# KiCad board PC110.kicad_pcb (continued)
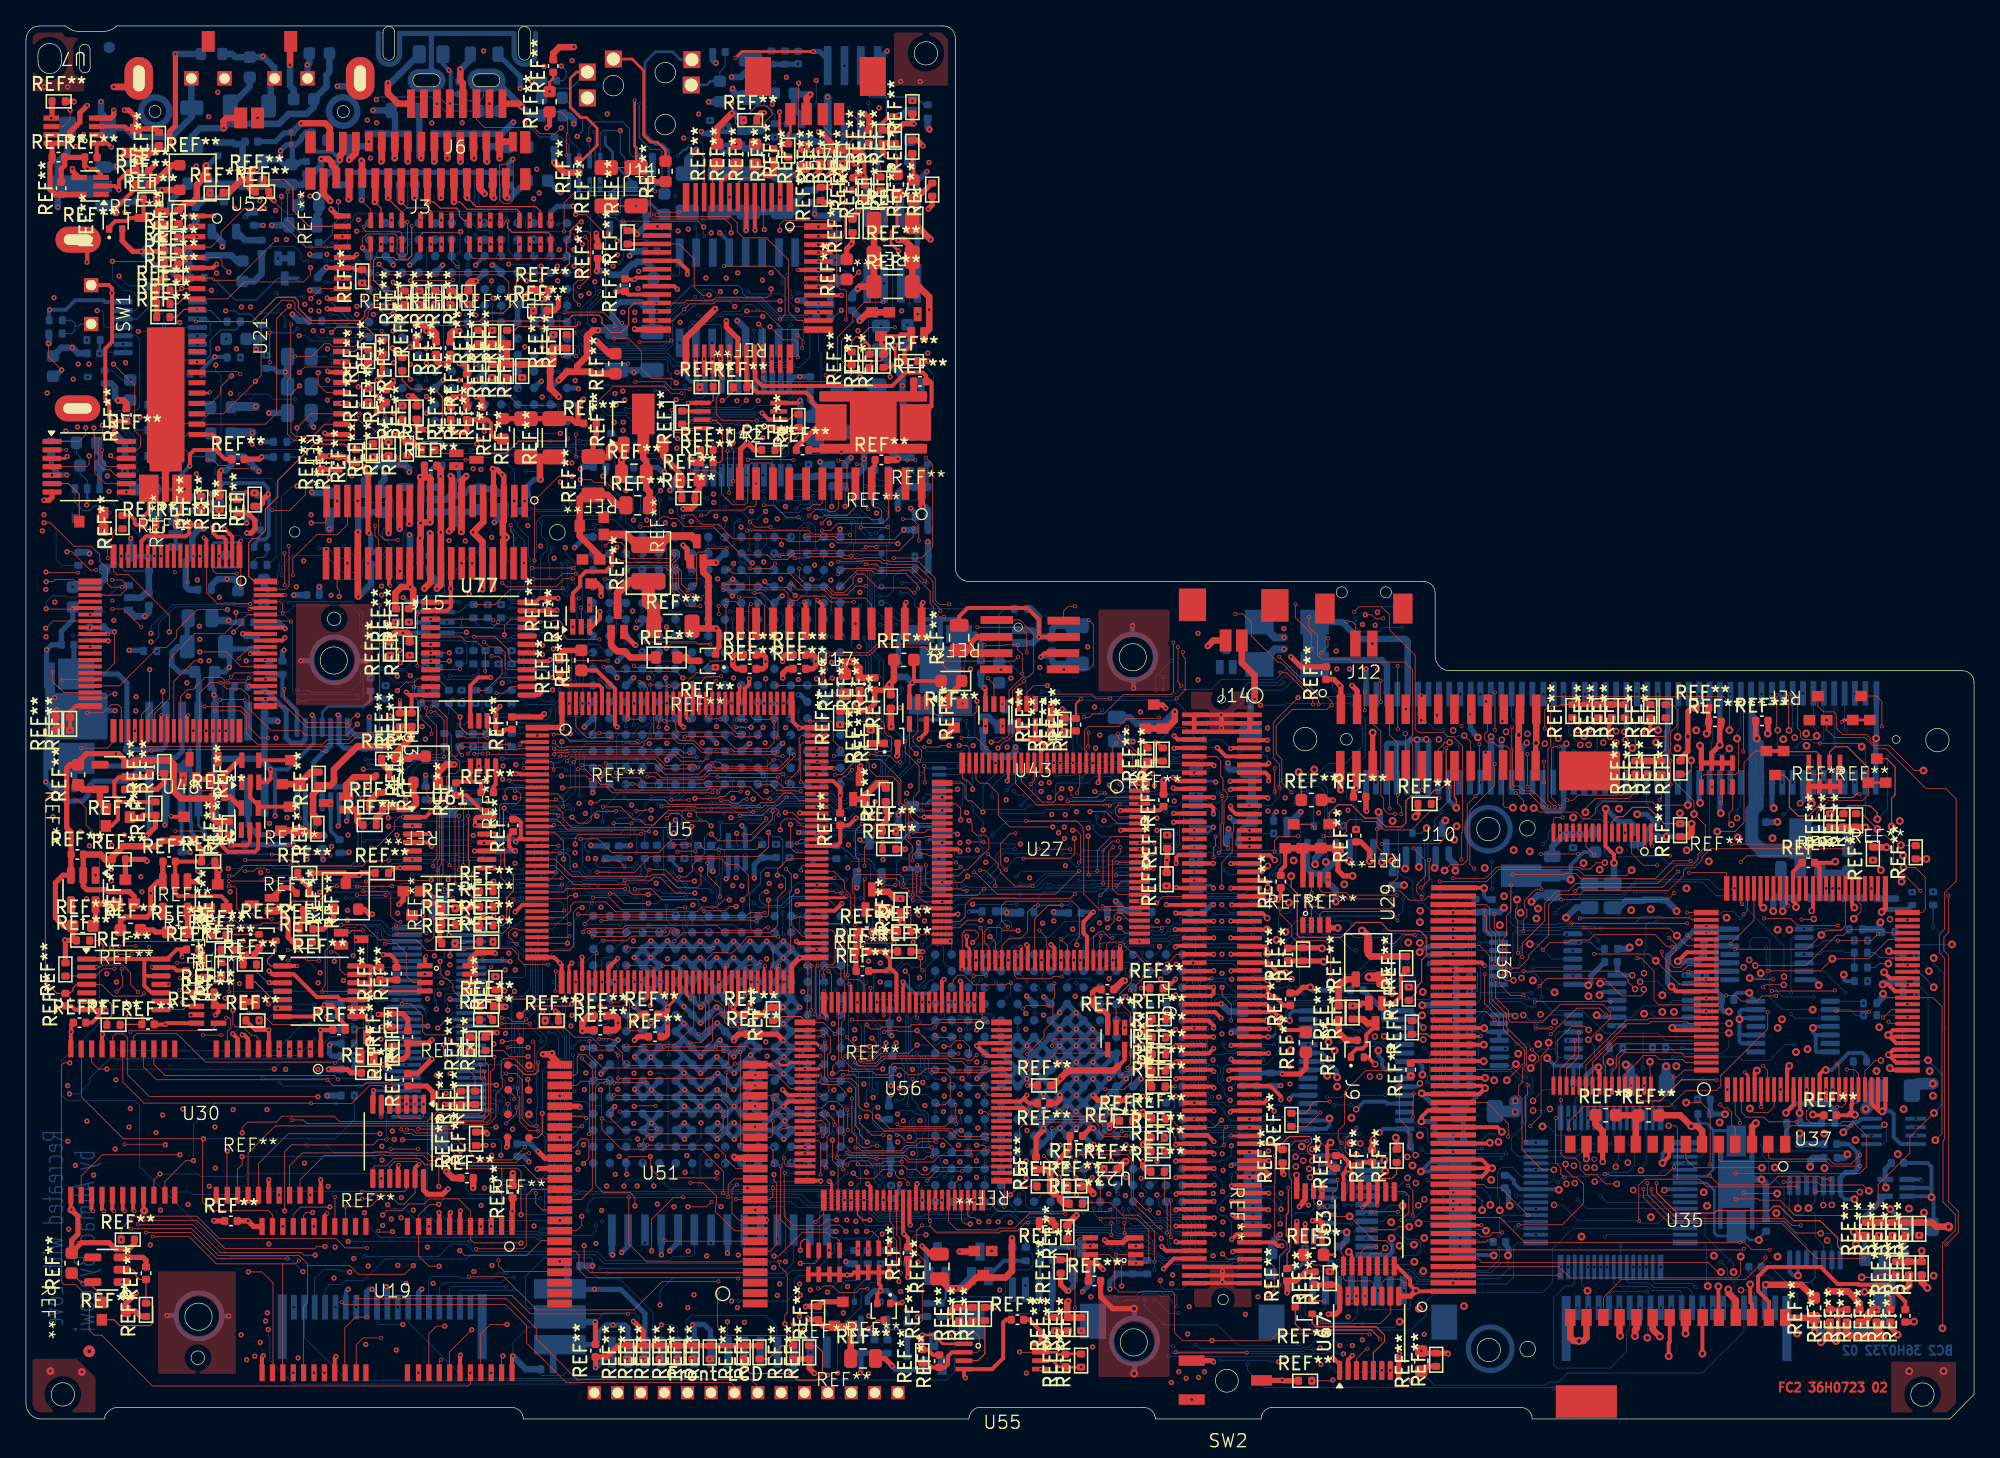
[diagram p0: board, top side]
## Routing (per net, layer and track width the routed paths; a pad name or vN(x,y) marks a point on that pad's centre or on a via; arc(x,y) is an arc through that point) (continued)
  IC1 w0.05: v1(67.44,19.01) 67.27,19.01 66.03,17.77 49.11,17.77 48.92,17.96 v1(48.36,17.96)
  IC2 w0.05: v1(84.4,10.24) 85.34,9.3 85.86,9.3 86.37,8.79 88.61,8.79 90.44,6.96 94.27,6.96 96.52,9.21 114.97,9.21 v3(119.81,14.05)
  IC4 w0.05: v3(121.21,32.67) 121.65,32.23 121.65,28.94 119.88,27.17 119.88,20.5 119.68,20.3 119.68,18.66 119.81,18.53 v3(119.81,14.05)
  BC1 w0.05: v11(68.71,40.95) 68.72,40.94 v11(68.72,39.94) ; v11(69.88,37.74) 70.27,38.13 v11(71.51,38.13) ; v11(67.54,20.55) 68.02,21.03 v11(69.5,21.03)
  BC2 w0.05: v11(71.51,38.13) 73.18,38.13 73.36,37.95 73.92,37.95 74.26,37.61 v1(74.26,37.17) ; v11(67.54,20.55) 67.54,20.1 67.44,20 v1(67.44,19.01) ; v1(67.7,42.4) 67.39,42.09 67.39,41.27 67.71,40.95 v11(68.71,40.95) ; v11(69.5,21.03) 69.52,21.05 69.52,23.48 69.26,23.74 68.93,23.74 68.73,23.94 68.73,24.16 68.25,24.64 68.25,25.75 68.72,26.22 68.72,27.18 68.47,27.43 68.3,27.43 67.99,27.74 67.99,32.64 67.15,33.48 67.15,34.57 67.66,35.08 67.95,35.08 68.26,34.77 68.74,34.77 69.31,35.34 69.31,36.16 69.88,36.73 v11(69.88,37.74) 69.88,39.28 69.22,39.94 v11(68.72,39.94)
  BC2 w0.3: v3(121.21,32.67) 121.45,32.91 U41.12
  BC2 w0.4: v1(67.7,42.4) REF**#595.1
PWRGD_shift: length 318.9
  FC2 w0.05: v2(31.11,47.56) 31.24,47.56 31.34,47.66 31.66,47.66 31.84,47.48 31.84,43.12 31.67,42.95 31.67,40.39 31.89,40.17 v2(32.9,40.17) ; v2(31.18,54.5) 31.55,54.5 32.2,53.85 v2(32.2,51) ; v1(40.56,57.12) 39.95,57.74 U77.16 37.11,57.74 36.91,57.93 36.91,59.04 36.46,59.49 35.69,59.49 v2(35.29,59.89) ; v2(31.42,38.64) 31.42,37.14 31.16,36.88 v2(30.86,36.88)
  FC2 w0.3: REF**#318.1 30.72,35.55 v2(30.82,35.65)
  FC1 w0.05: v1(34.15,63.56) 34.84,63.56 35.29,63.11 v2(35.29,59.89) 32.43,59.89 31.93,59.39 31.93,54.85 31.58,54.5 v2(31.18,54.5) ; v2(30.86,36.88) 30.86,35.69 v2(30.82,35.65) ; v2(13.89,53.04) 13.89,52.22 13.92,52.19 13.92,41.26 14.11,41.07 14.11,37.58 14,37.47 14,35.18 13.16,34.34 13.16,30.65 14.12,29.69 v1(14.12,17.93) ; v2(31.42,38.64) 31.67,38.64 32.9,39.87 v2(32.9,40.17) ; v2(31.11,47.56) 31.11,48.48 31.43,48.8 31.43,50.17 31.31,50.29 31.31,50.89 31.42,51 v2(32.2,51)
  IC3 w0.05: v5(106.41,18.58) 100.67,18.58 100.01,17.92 97.43,17.92 97.12,18.23 96.4,18.23 96.12,18.51 96.1,18.51 96.1,19.02 95.92,19.2 94.95,19.2 94.46,19.69 94.46,20.38 94.43,20.41 94.42,20.41 93.2,21.63 92.34,21.63 91.69,20.98 90.94,20.98 89.25,19.29 74.62,19.29 72.91,17.58 49.34,17.58 49.17,17.41 33.06,17.41 32.99,17.34 32.33,17.34 32.14,17.53 29.74,17.53 29.5,17.77 24.29,17.77 23.88,17.36 14.69,17.36 v1(14.12,17.93) ; v1(75.87,57.09) 74.79,56.01 74.74,56.01 74.7,55.97 73.03,55.97 73.02,55.97 72.93,55.97 72.77,55.81 66.04,55.81 65.8,56.05 42.31,56.05 41.24,57.12 v1(40.56,57.12)
  IC4 w0.05: v1(14.12,17.93) 14.12,16.76 17.45,13.43 17.45,7.26 18.34,6.37 20.3,6.37 22.31,4.36 38.97,4.36 40.5,5.89 40.5,23.44 38.92,25.02 35.93,25.02 35.08,25.87 35.08,36.78 35.56,37.26 35.56,42.35 36.09,42.88 36.09,47.84 34.77,49.16 34.77,60.73 34.15,61.35 v1(34.15,63.56)
  BC2 w0.05: REF**#618.1 75.51,56.73 v1(75.87,57.09) ; U14.21 105.67,17.84 v5(106.41,18.58)
RAM_A0: length 78
  FC2 w0.05: U30.18 6.66,29.46 6.88,29.68 7.53,29.68 7.84,29.37 7.84,26.51 9.5,24.85 22.47,24.85 v1(22.49,24.83) ; U19.18 21.39,15.71 21.59,15.91 v1(22.08,15.91)
  BC1 w0.05: v11(33.78,48.44) v11(33.78,43.56) ; v1(22.08,15.91) 22.05,15.94 22.05,24.39 v1(22.49,24.83) 23.36,23.96 23.93,23.96 24.17,24.2 24.17,30.49 24.66,30.98 v11(25.3,30.98) 25.32,31 v11(26.39,31) ; v11(26.57,43.57) 26.57,39.56 26.13,39.12 26.13,38.52 26.71,37.94 v11(26.71,37.28)
  BC2 w0.05: v11(26.57,43.57) 33.77,43.57 v11(33.78,43.56) ; v11(26.71,37.28) 26.4,37.28 26.31,37.19 26.31,31.08 v11(26.39,31) 26.39,30.94 26.86,30.47 26.86,30.16 27.23,29.79 29.32,29.79 29.33,29.78 ; v11(33.78,48.44) 35.49,48.44 36.08,49.03 36.08,50.92 36.45,51.29 REF**#817.1
  BC2 w0.2: REF**#779.1 25.43,31.93 ; 25.43,31.11 v11(25.3,30.98)
  BC2 w0.3: 25.43,31.93 25.43,31.11
RAM_A1: length 75.9
  FC2 w0.05: U19.19 20.59,15.76 21.16,16.33 v1(23.41,16.33)
  FC2 w0.3: U30.19 5.86,29.6 v1(5.9,29.64)
  IC2 w0.05: v1(27.92,45.67) 27.92,44.7 27.23,44.01 27.23,38.45 26.84,38.06 26.84,32.33 28.01,31.16 28.01,29.93 v1(27.35,29.27)
  BC1 w0.05: v11(30.58,45.7) 30.58,48.8 v11(31.3,49.52) ; v1(27.35,29.27) 26.7,29.27 25.95,30.02 v11(25.3,30.02) 25.11,30.02 24.82,29.73 24.82,17.11 24.04,16.33 v1(23.41,16.33)
  BC2 w0.05: v1(5.9,29.64) 7.17,28.37 19.24,28.37 21.35,30.48 25.21,30.48 25.3,30.39 v11(25.3,30.02) ; 29.33,29.28 29.32,29.29 27.37,29.29 v1(27.35,29.27) ; v1(27.92,45.67) 30.55,45.67 v11(30.58,45.7) ; v11(31.3,49.52) 34.49,49.52 35.45,50.48 REF**#709.1
RAM_A2: length 97.5
  FC2 w0.05: v1(6.23,26.96) 5.6,26.96 5.06,27.51 U30.20
  FC1 w0.05: v2(19.79,14.84) 19.21,15.41 19.21,26.88 v1(19.13,26.96)
  BC1 w0.05: v11(18.19,41.56) 18.19,31.64 19.13,30.7 v1(19.13,26.96) ; v11(38.37,50.56) 38.37,48.76 38.47,48.66 38.47,43.84 38.19,43.56 v11(38.19,40.16) ; v11(25.3,27.96) 25.3,28.25 25.78,28.73 v11(26.51,28.73) ; v11(24.65,40.14) 24.65,41.52 v11(24.63,41.54) ; v11(41.57,51.48) 41.03,51.48 v11(40.71,51.8)
  BC2 w0.05: v11(38.37,50.56) 41.12,50.56 41.57,51.01 v11(41.57,51.48) ; v1(6.23,26.96) v1(19.13,26.96) 19.67,27.5 24.84,27.5 v11(25.3,27.96) ; 29.33,28.78 29.32,28.79 26.57,28.79 v11(26.51,28.73) ; v11(18.19,41.56) 18.52,41.89 21.22,41.89 21.57,41.54 v11(24.63,41.54) ; v11(24.65,40.14) 29.02,40.14 29.4,39.76 29.4,38.68 29.95,38.13 32.72,38.13 34.1,39.51 35.7,39.51 36.35,40.16 v11(38.19,40.16) ; v11(40.71,51.8) 40.7,51.81 REF**#585.1
  BC2 w0.3: v11(25.3,27.96) REF**#548.1
RAM_A3: length 87.1
  FC2 w0.05: U30.21 4.28,28.49 4.28,24.81 7.5,21.59 v1(13.67,21.59) 13.59,21.51 13.59,16.72 14.26,16.05 18.69,16.05 18.98,15.76 18.98,14.84
  BC1 w0.05: v11(25.9,36.97) 26.86,36.97 28.11,38.22 v11(28.11,41.12) ; v11(26.05,28.33) 26.05,26.45 25.28,25.68 v11(25.28,24.91) ; v11(33.69,41.24) 33.67,41.26 33.67,42.57 34.16,43.06 34.4,43.06 35.23,43.89 35.23,47.26 35.03,47.46 35.03,52.13 34.28,52.88 34.28,57.45 35.02,58.19 v11(36.38,58.19)
  BC2 w0.05: v11(25.28,24.91) 25.28,23.08 23.79,21.59 v1(13.67,21.59) ; v11(28.11,41.12) 28.84,41.12 29.01,41.29 29.91,41.29 30.12,41.08 33.12,41.08 33.28,41.24 v11(33.69,41.24) ; 29.33,28.28 29.32,28.29 26.09,28.29 v11(26.05,28.33) 25.99,28.39 25.99,36.88 v11(25.9,36.97)
RAM_A4: length 114.4
  FC2 w0.05: v1(11.85,20.36) 5.89,20.36 4.26,18.73 U30.24 ; 32,25.4 31.8,25.4 31.8,23.82 30.89,22.91 24.16,22.91 23.74,23.33 19.74,23.33 19.29,22.88 17.07,22.88 16.66,22.47 v1(16.66,22.05) ; 32,25.4 32.91,25.4 33.05,25.26 REF**#10.2 ; 32,25.4 32,26.1 v1(31.61,26.49) ; v1(17.13,11.33) 18.18,11.33 19.03,10.48 19.03,3.61 18.98,3.56
  IC4 w0.05: v1(11.85,20.36) 11.85,21.4 12.57,22.12 16.59,22.12 v1(16.66,22.05)
  BC1 w0.05: v11(33.24,53.49) 33.24,50.76 33.4,50.6 33.4,50.25 33.26,50.11 33.26,42.86 v11(32.88,42.48) ; v1(17.13,11.33) 18.02,12.22 18.02,19.9 16.66,21.26 v1(16.66,22.05) 16.66,22.69 16.82,22.85 16.86,22.85 16.94,22.93 19.17,22.93 21.21,24.97 v11(21.21,41.25)
  BC2 w0.05: v11(21.21,41.25) 24.25,41.25 24.43,41.07 26.12,41.07 28.16,43.11 32.25,43.11 v11(32.88,42.48) ; 34.33,28.28 34.32,28.29 33,28.29 32.48,27.77 32.48,27.36 v1(31.61,26.49) ; REF**#466.1 35.39,57.16 34.99,56.76 34.36,56.76 34.09,56.49 34.09,53.82 33.76,53.49 v11(33.24,53.49)
RAM_A5: length 116.8
  FC2 w0.05: 19.75,11.95 20.76,11.95 v2(21.01,12.2) ; 19.75,11.95 14.67,11.95 12.56,14.06 v2(9.76,14.06) ; 19.75,11.95 19.76,11.94 19.76,3.59 U19.25 ; REF**#253.2 34.59,26.4 33.74,27.25 32.87,27.25 32.17,27.95 v1(32.17,28.83)
  FC2 w0.3: U30.25 5.06,16.17 v2(5.18,16.04)
  FC1 w0.05: v1(22.49,26.94) 21.01,25.46 v2(21.01,12.2) ; v2(5.18,16.04) 7.04,14.18 8.59,14.18 8.71,14.06 v2(9.76,14.06)
  IC1 w0.05: v1(22.49,26.94) 23.04,26.39 30.66,26.39 32.17,27.9 v1(32.17,28.83)
  BC1 w0.05: v11(34.84,52.88) 34.84,53.22 34.63,53.43 v11(34.63,55.14) ; v11(47.45,56.28) 47.16,56.28 46.96,56.48 41.67,56.48 v11(41.65,56.46) ; v1(22.49,26.94) 21.91,27.52 21.91,38.02 23.53,39.64 24.15,39.64 24.33,39.82 24.33,42.02 25.75,43.44 v11(25.75,47.06)
  BC2 w0.05: v11(25.75,47.06) 29.26,47.06 29.76,47.56 29.76,49.92 30.37,50.52 32.51,50.52 32.81,50.82 33.33,50.82 33.46,50.68 34.38,50.68 34.84,51.14 v11(34.84,52.88) 34.49,52.88 REF**#683.2 34.44,53.34 34.79,53.69 38,53.69 38.06,53.63 40.55,53.63 40.78,53.86 40.78,54.67 41.83,55.72 41.83,56.28 v11(41.65,56.46) ; v1(32.17,28.83) 34.25,28.83 J2.42 ; v11(47.45,56.28) 47.45,56.5 47.48,56.53
RAM_A6: length 95.1
  FC2 w0.05: v1(38.67,27.92) 37.25,27.92 36.77,28.4 REF**#394.1 35.4,27.5 35.62,27.28 35.62,23.42 35.22,23.02 32.76,23.02 32.5,22.76 21.67,22.76 21.65,22.78 21.61,22.78 21.35,23.04 v2(20.47,23.04) ; v2(9.25,14.37) 12.69,14.37 14.7,12.36 v2(20.14,12.36)
  FC2 w0.3: v2(6.02,16.03) 5.86,16.2 U30.26
  FC1 w0.05: v2(20.47,23.04) 20.47,22.48 20.39,22.4 20.39,12.61 v2(20.14,12.36) 20.16,12.34 20.16,3.99 v2(20.59,3.56) ; v2(9.25,14.37) 9.22,14.4 7.64,14.4 6.02,16.02 v2(6.02,16.03)
  BC1 w0.05: v1(38.67,27.92) 38.02,27.92 37.82,28.12 37.82,29.41 36.82,30.41 36.23,30.41 ; v11(36.22,34.02) 36.22,30.42 36.23,30.41 ; 36.23,30.41 36.01,30.41 35.77,30.17 v11(35.77,29.42) ; v11(38.46,34.99) 38.47,35 38.47,35.48 38.51,35.52 38.51,43.61 38.68,43.78 38.68,52.19 37.4,53.47 v11(37.4,54.89)
  BC2 w0.05: v11(35.77,29.42) 35.64,29.29 J2.43 ; v11(36.22,34.02) 38.28,34.02 38.46,34.2 v11(38.46,34.99)
RAM_A7: length 89.7
  FC2 w0.05: U19.27 21.36,3.59 21.36,8.64 21.68,8.96 21.68,11.83 ; 21.68,11.83 21.68,11.95 21.02,12.61 14.81,12.61 12.74,14.68 v2(8.08,14.68) ; 21.68,11.83 24.93,11.83 25.63,11.13 29.15,11.13 v1(29.84,11.82)
  FC2 w0.3: v2(6.78,16.03) 6.66,16.16 U30.27
  FC1 w0.05: v2(6.78,16.03) 6.78,15.98 v2(8.08,14.68)
  BC1 w0.05: v1(29.84,11.82) 30.54,11.82 31.35,12.63 31.35,20.87 32.85,22.37 32.85,23.6 33.26,24.01 33.26,27.92 33.68,28.34 v11(33.68,29.77) ; v11(35.83,32.05) 35.43,32.45 35.43,35.8 36.82,37.19 36.82,37.57 36.61,37.78 36.36,37.78 35.55,38.59 35.55,39.76 36.85,41.06 v11(36.85,43.07) ; v11(32.89,43.1) 32.89,43.96 32.96,44.03 32.96,49.94 32.63,50.27 32.63,50.59 32.93,50.89 32.93,54.25 33.56,54.88 v11(33.56,55.14)
  BC2 w0.05: v11(35.83,32.05) 35.89,31.99 35.89,29.98 35.69,29.78 34.33,29.78 34.32,29.77 v11(33.68,29.77) 34.27,29.77 J2.44 ; v11(36.85,43.07) 36.81,43.03 32.96,43.03 v11(32.89,43.1)
RAM_A8: length 100.2
  FC2 w0.05: v2(8.61,15) 8.65,14.96 12.86,14.96 14.98,12.84 21.19,12.84 21.41,12.62 v1(22.28,12.62)
  FC2 w0.3: v2(7.6,16) 7.46,16.15 7.46,17.24
  FC1 w0.05: v2(7.6,16) 8.6,15 v2(8.61,15) ; v2(22.19,3.56) 22.38,3.76 22.38,12.52 v1(22.28,12.62)
  IC2 w0.05: v1(37.69,34.6) 37.69,34.45 37.26,34.02 35.07,34.02 33.95,32.9 33.95,25.8 33.26,25.11 33.22,25.11 33.2,25.09 v1(32.36,25.09)
  IC4 w0.05: v1(32.36,25.09) 33.12,24.33 33.12,21.3 32.82,21 32.82,20.41 33.59,19.64 33.59,17.46 34.2,16.85 34.2,14.76 32.82,13.38 32.82,11.68 32.06,10.92 24.46,10.92 22.76,12.62 v1(22.28,12.62)
  BC1 w0.05: v1(37.69,34.6) 38.61,34.6 38.75,34.74 38.75,43.5 38.85,43.6 38.85,52.37 37.81,53.41 37.81,57.79 v11(37.41,58.19) ; v1(32.36,25.09) 31.11,26.34 31.11,26.75 32.66,28.3 32.66,29.74 33.12,30.2 v11(33.68,30.2)
  BC2 w0.05: 34.33,30.28 34.25,30.2 v11(33.68,30.2) 34.2,30.2 J2.45
RAM_A9: length 83
  FC2 w0.05: v1(23.03,13.29) 22.4,13.29 22.23,13.12 15.34,13.12 13.15,15.31 v2(9.06,15.31)
  FC2 w0.3: v2(8.35,16.02) 8.26,16.12 U30.29
  FC1 w0.05: v2(22.98,3.56) 23.03,3.61 v1(23.03,13.29) ; v2(9.06,15.31) v2(8.35,16.02)
  BC1 w0.05: v11(35.63,55.14) 35.63,54.61 36.06,54.18 36.06,49.34 36.94,48.46 37.68,48.46 38.11,48.03 38.11,46.35 37.29,45.53 36.51,45.53 36.09,45.11 36.09,43.5 34.19,41.6 34.19,40.52 33.31,39.64 33.31,38.29 33.81,37.79 33.81,31.18 33.38,30.75 v11(32.87,30.75) 32.36,30.24 32.35,30.24 32.35,29.81 31.72,29.18 31.72,28.82 31.52,28.62 31.09,28.62 30.65,28.18 30.65,14.94 29.7,13.99 26.61,13.99 26.54,14.06 23.83,14.06 23.06,13.29 v1(23.03,13.29)
  BC2 w0.2: v11(32.87,30.75) 32.9,30.78
  BC2 w0.3: v11(32.87,30.75) 32.91,30.79 J2.46
RAM_A10: length 69.9
  FC2 w0.05: v2(28.34,25.55) 27.59,25.55 27.46,25.69 26.47,25.69 25.1,24.32 v2(21.95,24.32) 21.93,24.34 9.08,24.34 7.46,25.97 7.46,28.52
  FC1 w0.05: v2(22.19,14.84) 21.69,15.33 21.69,18.81 21.95,19.07 v2(21.95,24.32) ; v1(30.94,30.28) 30.94,29.42 30.26,28.74 v2(28.23,28.74) 28.34,28.63 v2(28.34,25.55)
  BC1 w0.05: v11(29.29,30.29) 29.29,31.87 29.18,31.98 29.18,33.43 30.55,34.8 30.55,36.91 29.58,37.88 29.58,39.46 30.56,40.44 30.56,42.39 32.07,43.9 v11(32.07,44.2) ; v11(34.44,51.81) 34.44,50.88 34.86,50.46 34.86,47.31 35.05,47.12 35.05,44.46 34.8,44.21 v11(34.17,44.21)
  BC2 w0.05: v11(34.17,44.21) 34.16,44.2 v11(32.07,44.2)
  BC2 w0.3: v11(29.29,30.29) 30.93,30.29 v1(30.94,30.28)
RAM_A11: length 76
  FC2 w0.05: v1(27.4,30.22) 27.31,30.13 25.63,30.13 25.44,29.94 25.44,29.04 23.83,27.43 v2(23.8,27.43) 23.73,27.5 13.83,27.5 11.62,29.71 8.54,29.71 8.26,29.43 U30.16
  FC2 w0.3: v1(27.4,30.22) 27.42,30.2 REF**#240.1 28.81,30.2 v2(28.82,30.19) ; v2(23.2,15.85) 22.98,15.64 22.98,14.84
  FC1 w0.05: v2(28.82,30.19) 29.32,30.69 29.32,38.43 29.49,38.6 29.49,41.3 29.17,41.62 29.17,42.29 29.2,42.31 29.2,42.63 29.17,42.65 29.17,44.41 v1(28.58,45) ; v2(23.2,15.85) 23.72,15.85 24.08,16.21 24.08,25.06 23.53,25.61 23.53,26.47 23.8,26.74 v2(23.8,27.43)
  BC1 w0.05: v11(31.15,51.51) 31.15,51.9 31.21,51.96 31.21,54.86 31.64,55.29 31.64,56.99 v11(31.26,57.37) ; v11(28.5,51.5) 28.54,51.46 28.54,45.04 v1(28.58,45)
  BC2 w0.05: REF**#713.1 34.89,57.77 34.89,57.18 34.68,56.97 32.44,56.97 32.04,57.37 v11(31.26,57.37) ; v11(28.5,51.5) 31.14,51.5 v11(31.15,51.51)
  BC2 w0.2: v1(27.4,30.22) 27.97,30.79 J2.15
RAM_ID0: length 40.4
  FC2 w0.05: v2(54.61,27.38) 54.27,27.04 54.25,27.04 54.25,27.05 44.46,27.05 43.4,28.1 v2(43.4,29.13) ; REF**#349.1 34.12,31.81 32.89,33.04 32.89,33.49 32.47,33.91 32.34,33.91 32.33,33.92 32.29,33.92 31.9,34.31 v1(31.9,35.26)
  FC2 w0.08: v2(41.36,32.42) 41.29,32.35 35.37,32.35 34.98,31.96 REF**#349.1
  FC2 w0.2: v2(57.88,27.53) 58.14,27.27 58.65,27.27 58.84,27.46 U56.32
  FC1 w0.05: v2(57.88,27.53) 56.71,27.53 56.56,27.38 v2(54.61,27.38) ; v2(43.4,29.13) 43.36,29.17 43.36,31.99 42.63,32.72 41.66,32.72 v2(41.36,32.42)
  BC2 w0.05: 34.33,37.78 34.32,37.79 32.48,37.79 32.22,37.53 32.22,35.58 v1(31.9,35.26)
RAM_ID1: length 81.2
  FC2 w0.05: v2(64.23,23.26) 64.23,22.79 65.15,21.87 v2(66.04,21.87) ; v2(61.01,10.06) 61.25,10.06 61.44,10.25 62.13,10.25 62.65,9.73 63.94,9.73 64.25,10.04 v2(64.82,10.04)
  FC2 w0.2: U56.31 60.02,27.98 v2(61.17,27.98)
  FC2 w0.3: v1(35.43,21.08) REF**#277.1
  FC1 w0.05: v2(61.17,27.98) 61.28,27.98 61.78,28.48 63.21,28.48 63.62,28.07 63.62,26.21 62.8,25.39 62.8,24.66 62.85,24.61 62.85,23.85 63.44,23.26 v2(64.23,23.26) ; v2(64.82,10.04) 66.73,11.95 66.73,12.21 67.23,12.71 67.23,13.69 67.01,13.91 67.01,17.21 66.08,18.14 66.08,21.83 v2(66.04,21.87) ; v2(61.01,10.06) 60.67,10.4 v1(59.59,10.4)
  IC3 w0.05: v1(31.36,10.45) 32.02,10.45 32.16,10.31 37.81,10.31 38.16,10.66 57.36,10.66 57.61,10.91 59.08,10.91 v1(59.59,10.4)
  IC4 w0.05: v1(35.43,21.08) 35.43,19.98 36.25,19.16 36.25,14.13 32.57,10.45 v1(31.36,10.45)
  BC2 w0.05: v1(35.43,21.08) 34.43,21.08 34.31,21.2 33.01,21.2 32.82,21.39 32.82,23.04 33.06,23.28 34.33,23.28
RAM_IOL0: length 165.7
  FC2 w0.05: v1(29,21.52) 31.33,21.52 32.17,20.68 32.17,20.26 33.12,19.31 33.57,19.31 33.59,19.33 36.66,19.33 ; 36.66,19.33 36.66,14.81 ; 36.66,19.33 37.86,19.33 38.13,19.05 v1(38.13,15.74)
  IC3 w0.05: v1(25.47,91.53) 26,92.06 42.25,92.06 42.42,91.89 42.98,91.89 43.31,91.56 43.31,90.26 42.61,89.56 42.09,89.56 41.71,89.18 41.71,86.74 42.31,86.14 46.03,86.14 v1(46.89,85.28)
  BC1 w0.05: v11(42.89,23.38) 54.96,23.38 55.43,22.91 55.43,20.99 55.89,20.53 56.36,20.53 57.97,22.14 59,22.14 59.63,22.77 v11(59.63,23.11) ; v11(40.06,32.21) 40.06,32.67 39.9,32.83 39.9,39.94 40.03,40.07 40.03,53.45 40.69,54.11 41.15,54.11 41.41,54.37 41.41,54.95 41.6,55.14 41.94,55.14 42.03,55.23 42.41,55.23 42.45,55.19 46.22,55.19 46.56,55.53 48.66,55.53 48.72,55.59 48.72,56.04 48.42,56.34 48.42,58.27 48.07,58.62 48.07,61.98 47.74,62.31 v11(47.49,62.31) ; v11(49,64.74) 49,65.04 49.27,65.31 49.27,67.59 48.81,68.05 48.81,69.79 49.47,70.45 49.65,70.45 49.96,70.76 49.96,71.13 50.01,71.18 50.01,71.8 49.84,71.97 48.54,71.97 47.52,72.99 47.52,83.22 47.44,83.3 47.44,85.12 47.28,85.28 v1(46.89,85.28) ; v11(29.29,27.29) 29.02,27.02 29.02,21.54 v1(29,21.52)
  BC2 w0.05: v11(49,64.74) 48.47,64.74 48.15,64.42 48.15,63.6 47.47,62.91 ; U23.B2 27.06,91.53 v1(25.47,91.53) ; 41.65,23.37 41.65,15.87 41.52,15.74 v1(38.13,15.74) ; 41.65,23.37 41.65,29.58 41.36,29.87 41.36,31.89 41.04,32.21 v11(40.06,32.21) ; 41.65,23.37 41.66,23.38 v11(42.89,23.38) ; v11(47.49,62.31) 47.48,62.32 U2.D5 ; U1.P13 59.8,23.11 v11(59.63,23.11)
RAM_IOL1: length 155.4
  FC1 w0.05: v1(35.86,18.41) 35.96,18.31 35.96,14.96 v2(35.84,14.84)
  IC1 w0.05: v1(28.91,17.06) 31.14,17.06 31.41,17.33 32.71,17.33 33.79,18.41 v1(35.86,18.41)
  IC2 w0.05: v1(27.51,27.32) 27.63,27.2 28.91,27.2 29.24,27.53 v1(29.24,47.73) ; v1(32.59,67.69) 32.12,67.22 28.15,67.22 24.9,70.47 22.26,70.47 21.56,71.17 21.56,83.84 21.18,84.22 21.18,85.6 v1(21.48,85.9)
  IC3 w0.05: v1(35.86,18.41) 35.88,18.43 59.02,18.43 59.52,18.93 v1(62.13,18.93)
  IC4 w0.05: v1(27.51,27.32) 28.06,27.32 29.36,26.02 29.36,18.45 28.91,18 v1(28.91,17.06)
  BC1 w0.05: v11(45,63.53) 44.29,62.82 43.42,62.82 43.11,62.51 42.38,62.51 41.17,63.72 40.1,63.72 39.21,62.83 v11(38.26,62.83) ; v11(23.56,90.62) 21.82,90.62 21.35,90.15 21.35,87.49 21.14,87.28 21.14,86.24 v1(21.48,85.9) ; v1(29.24,47.73) 29.24,49.52 29.11,49.65 29.11,51.73 28.86,51.98 28.86,54.57 29.73,55.44 29.73,56.59 30.07,56.93 30.07,57.82 29.49,58.4 29.49,60.81 29.32,60.98 28.99,60.98 28.79,61.18 28.79,61.5 29.8,62.51 v11(29.8,63.43) ; v11(35.07,63.35) 34.72,63 34,63 33.52,63.48 32.67,63.48 32.56,63.59 v11(32.25,63.59)
  BC2 w0.05: 44.93,64.18 45,64.11 v11(45,63.53) ; U1.R16 61.48,19.57 62.12,18.93 v1(62.13,18.93) ; U23.B1 26.94,92.92 25.49,92.92 25.2,92.63 25.2,92.41 24.9,92.11 24.73,92.11 24.44,91.82 24.44,91.18 23.88,90.62 v11(23.56,90.62) ; v1(32.59,67.69) 32.19,67.69 31.92,67.42 31.92,66.17 32.25,65.84 v11(32.25,63.59) 31.76,63.59 31.6,63.43 v11(29.8,63.43) ; v11(35.07,63.35) 37,63.35 37.16,63.19 37.16,63.05 37.38,62.83 v11(38.26,62.83)
  BC2 w0.2: v1(27.51,27.32) 27.51,27.08 27.8,26.79 J2.23
RAM_IOL2: length 159.7
  FC1 w0.05: v2(35.04,14.84) 35.06,14.86 v1(35.06,16.45)
  IC2 w0.05: v1(28.23,22.18) 28.24,22.17 31.33,22.17 34.87,18.63 34.87,17.42 35.06,17.23 v1(35.06,16.45)
  IC3 w0.05: v1(43.9,13.52) 43.9,15.67 43.09,16.48 35.09,16.48 v1(35.06,16.45)
  BC1 w0.05: v11(39.16,64.1) 39.51,64.1 39.69,64.28 40.76,64.28 40.92,64.44 43.06,64.44 v11(43.42,64.08) ; v11(25.9,66.2) 26.29,66.2 26.37,66.12 38.7,66.12 38.78,66.2 v11(39.14,66.2) ; v1(43.9,13.52) 44.57,14.19 58.71,14.19 59.34,14.82 59.34,18.9 60.06,19.62 v11(60.06,19.64) ; v1(28.23,22.18) 28.23,25.68 27.67,26.24 v11(27.12,26.24) ; v11(18.23,26.23) 18.23,29.26 17.77,29.72 17.77,38.46 16.49,39.74 16.49,52.32 18.65,54.48 21.12,54.48 21.82,55.18 21.82,61.69 22.99,62.86 24.35,62.86 24.57,63.08 24.57,64.18 v11(24.07,64.68) 24.07,71.82 23.97,71.92 23.97,82.48 24.11,82.62 24.11,84.07 23.99,84.19 23.99,85.15 24.12,85.28 24.12,90.34 24.58,90.8 v11(28.71,90.8)
  BC2 w0.05: v11(39.14,66.2) 39.14,64.12 v11(39.16,64.1) ; v11(18.23,26.23) 27.11,26.23 v11(27.12,26.24) 27.17,26.29 J2.24 ; 43.66,64.18 43.56,64.08 v11(43.42,64.08) ; U23.C2 28.9,90.8 v11(28.71,90.8) ; v11(25.9,66.2) 25.93,66.17 25.93,65.01 25.6,64.68 v11(24.07,64.68)
RAM_IOL3: length 169.1
  FC2 w0.05: v1(27.47,15.72) 27.79,16.04 28.94,16.04 29.47,16.57 30.68,16.57 31.07,16.96 33.31,16.96 34.23,16.04 U19.5 34.23,13.85 34.51,13.57 38.11,13.57 v1(38.13,13.55)
  BC1 w0.05: v11(30.76,86.44) 29.67,85.35 29.67,84.75 29.22,84.3 27.58,84.3 27.47,84.41 27.47,87.06 27.18,87.35 25.87,87.35 24.76,86.24 24.76,84.38 24.49,84.11 v11(24.49,81.99) ; v11(28.79,64.36) 29.31,64.88 30.72,64.88 30.93,64.67 34.23,64.67 34.66,65.1 45.23,65.1 45.47,64.86 v11(45.47,64.61) ; v11(27.49,66.38) 26.73,66.38 26.38,66.73 25.35,66.73 v11(24.95,66.33) 24.93,66.31 24.93,65.15 25.12,64.96 25.12,62.15 25.36,61.91 25.36,56.75 24.86,56.25 24.86,53.7 17.82,46.66 17.82,44.41 19.31,42.92 19.31,27.65 19.56,27.4 v11(19.56,25.92) ; v11(60.07,20.92) 59.7,20.55 57.1,20.55 55.4,18.85 55.4,16.7 54.6,15.9 45.86,15.9 45.21,16.55 39.06,16.55 38.57,16.06 38.57,13.99 v1(38.13,13.55) ; v11(23.58,81.99) 22.57,81.99 22.12,81.54 22.12,78.73 22.1,78.71 22.59,78.22 v11(22.59,67.1) ; v11(25.67,25.67) 25.67,19.55 27.35,17.87 27.35,16.37 27.47,16.25 v1(27.47,15.72)
  BC2 w0.05: v11(45.47,64.61) 45.47,63.64 46.2,62.91 ; v11(27.49,66.38) 27.49,66.67 27.69,66.87 27.97,66.87 28.22,66.62 28.23,66.62 28.23,64.92 v11(28.79,64.36) ; v11(19.56,25.92) 19.83,25.65 25.65,25.65 v11(25.67,25.67) 26.04,25.67 26.31,25.94 27.73,25.94 27.88,25.79 29.32,25.79 29.33,25.78 ; v11(24.95,66.33) 24.03,66.33 23.26,67.1 v11(22.59,67.1) ; v11(30.76,86.44) 30.76,86.79 31.04,87.07 U23.E5 ; v11(24.49,81.99) v11(23.58,81.99)
RAM_IOL4: length 151.8
  FC2 w0.3: v1(32.7,15.91) 32.64,15.85 U19.7
  FC1 w0.05: v1(47.19,88.44) 47.68,87.95 47.68,80.28 48.09,79.87 48.09,79.83 48.08,79.82 48.08,79.88 48.08,70.24 49.25,69.07 v1(49.25,69.06) ; v1(32.7,15.91) 32.7,16.4 29.27,19.83 29.27,20.05 28.37,20.95 v1(28.37,21.54)
  IC1 w0.05: v1(32.7,15.91) 33.41,15.2 38.15,15.2 39.08,16.13 44.28,16.13 v1(44.34,16.07)
  IC4 w0.05: v1(44.34,16.07) 44.34,16.61 44.99,17.26 48.17,17.26 48.77,17.86 48.77,39.19 49.34,39.76 49.34,43.86 49.24,43.96 49.24,47.71 50.49,48.96 50.49,50.59 50.12,50.96 50.12,64.51 49.24,65.39 49.24,69.05 v1(49.25,69.06)
  BC1 w0.05: 47.19,88.45 47.19,90.42 46.15,91.46 46.15,92.96 46.03,93.08 46.03,94.04 46.15,94.16 46.15,97.19 45.72,97.62 40.8,97.62 39.21,99.21 39.21,99.8 38.51,100.5 37.66,100.5 36.83,101.33 36.05,101.33 35.57,100.85 35.57,98.89 35.98,98.48 35.98,95.89 35.19,95.1 29.47,95.1 v11(29.41,95.16) ; v1(49.25,69.06) 49.25,68.27 49.38,68.14 49.38,68.1 49.49,67.99 49.49,65.66 50.3,64.85 50.3,60.94 v11(50.32,60.92)
  BC2 w0.05: 50.02,61.61 50.02,61.22 v11(50.32,60.92) ; 29.33,24.78 29.32,24.79 27.48,24.79 27.28,24.59 27.28,24.05 27.77,23.56 27.77,21.86 28.09,21.54 v1(28.37,21.54) ; U23.C1 28.98,92.98 29.41,93.41 v11(29.41,95.16)
RAM_IOL5: length 138.7
  FC2 w0.3: v1(31.81,15.9) 31.84,15.88 U19.8
  FC1 w0.05: v1(31.81,15.9) 31.8,15.89 30.99,15.89 30.96,15.92 30.94,15.92 30.78,16.08 29.85,16.08 v1(29.84,16.09)
  IC4 w0.05: v1(29.84,16.09) 29.13,16.09 28.01,17.21 28.01,20.2 27.71,20.5 26.91,20.5 26.61,20.8 26.61,24.02 26.17,24.46 26.17,38.8 24.32,40.65 24.32,44.51 v1(24.81,45)
  BC1 w0.05: v11(25.46,66.27) 25.46,65.99 25.77,65.68 27.01,65.68 27.22,65.89 40.81,65.89 40.87,65.95 41.26,65.95 v11(41.29,65.92) ; v11(29.29,24.29) 29.84,23.74 v1(29.84,16.09) ; v11(42.18,63.71) 42.36,63.53 43.78,63.53 44.08,63.83 45.23,63.83 45.38,63.68 45.38,63.07 45.19,62.88 45.19,62.5 v11(44.89,62.2) ; v11(24.63,80.39) 24.6,80.36 24.6,68.21 24.52,68.13 v11(24.52,67.24) ; 26.5,65.68 26.49,65.67 26.49,59.44 25.76,58.71 25.76,57.37 25.87,57.26 25.87,55.28 25.11,54.52 25.11,45.7 24.81,45.4 v1(24.81,45) 24.81,45.01 ; v11(58.29,19.12) 58.29,15.43 57.42,14.56 41.09,14.56 v11(40.36,15.29)
  BC2 w0.05: v11(24.52,67.24) 24.52,67.21 v11(25.46,66.27) ; v1(31.81,15.9) 32.42,15.29 v11(40.36,15.29) ; v11(58.29,19.12) 58.29,20.33 U1.N15 ; 44.94,62.88 44.94,62.25 v11(44.89,62.2) ; v11(41.29,65.92) 41.29,63.65 41.53,63.41 41.88,63.41 v11(42.18,63.71)
RAM_IOL6: length 190.1
  FC1 w0.05: v1(27.86,16.51) 28.21,16.16 29.14,16.16 30.47,14.84 v2(31.04,14.84)
  BC1 w0.05: v11(43.61,62.26) 42.21,62.26 v11(41.96,62.51) ; v11(11.26,17.49) 11.26,58.02 12.75,59.51 13.75,59.51 15.3,61.06 18.27,61.06 19.04,61.83 19.04,62.75 18.12,63.67 18.12,64.36 18.79,65.03 v11(19.69,65.03) ; v11(27.96,91.43) 27.54,91.01 24.42,91.01 23.87,90.46 23.87,85.32 23.77,85.22 23.77,84.52 23.55,84.3 21.93,84.3 21.7,84.07 21.7,71.91 19.69,69.9 19.69,65.05 ; v11(26.19,60.8) 26.19,64.66 v11(25.63,65.22) ; v11(41.56,61.62) 40.14,61.62 39.81,61.29 v11(39.81,60.71) ; v1(27.86,16.51) 27.86,17.51 29.44,19.09 29.44,22.76 29.29,22.91 v11(29.29,23.79) ; v11(43.9,14.93) 56.29,14.93 57.08,15.72 57.08,19.18 v11(57.53,19.63)
  BC2 w0.05: v11(25.63,65.22) 24.41,65.22 23.09,66.54 20.56,66.54 19.69,65.67 v11(19.69,65.03) ; v11(11.26,17.49) 12.64,17.49 12.83,17.3 16.42,17.3 16.67,17.55 26.82,17.55 v1(27.86,16.51) 28.18,16.19 29.19,16.19 31.14,14.24 39.35,14.24 39.43,14.16 43.55,14.16 43.9,14.51 v11(43.9,14.93) ; v11(27.96,91.43) 31.83,91.43 32.17,91.09 32.17,90.26 U23.E3 ; 43.67,62.88 43.67,62.32 v11(43.61,62.26) ; U1.M16 57.59,19.63 v11(57.53,19.63) ; v11(41.96,62.51) 41.56,62.11 v11(41.56,61.62) ; v11(26.19,60.8) 26.87,60.12 30,60.12 30.09,60.21 34.14,60.21 34.27,60.34 36.4,60.34 36.61,60.13 37.23,60.13 37.46,60.36 39.46,60.36 v11(39.81,60.71)
